# KiCad board panel.opm-inline.kicad_pcb (continued)
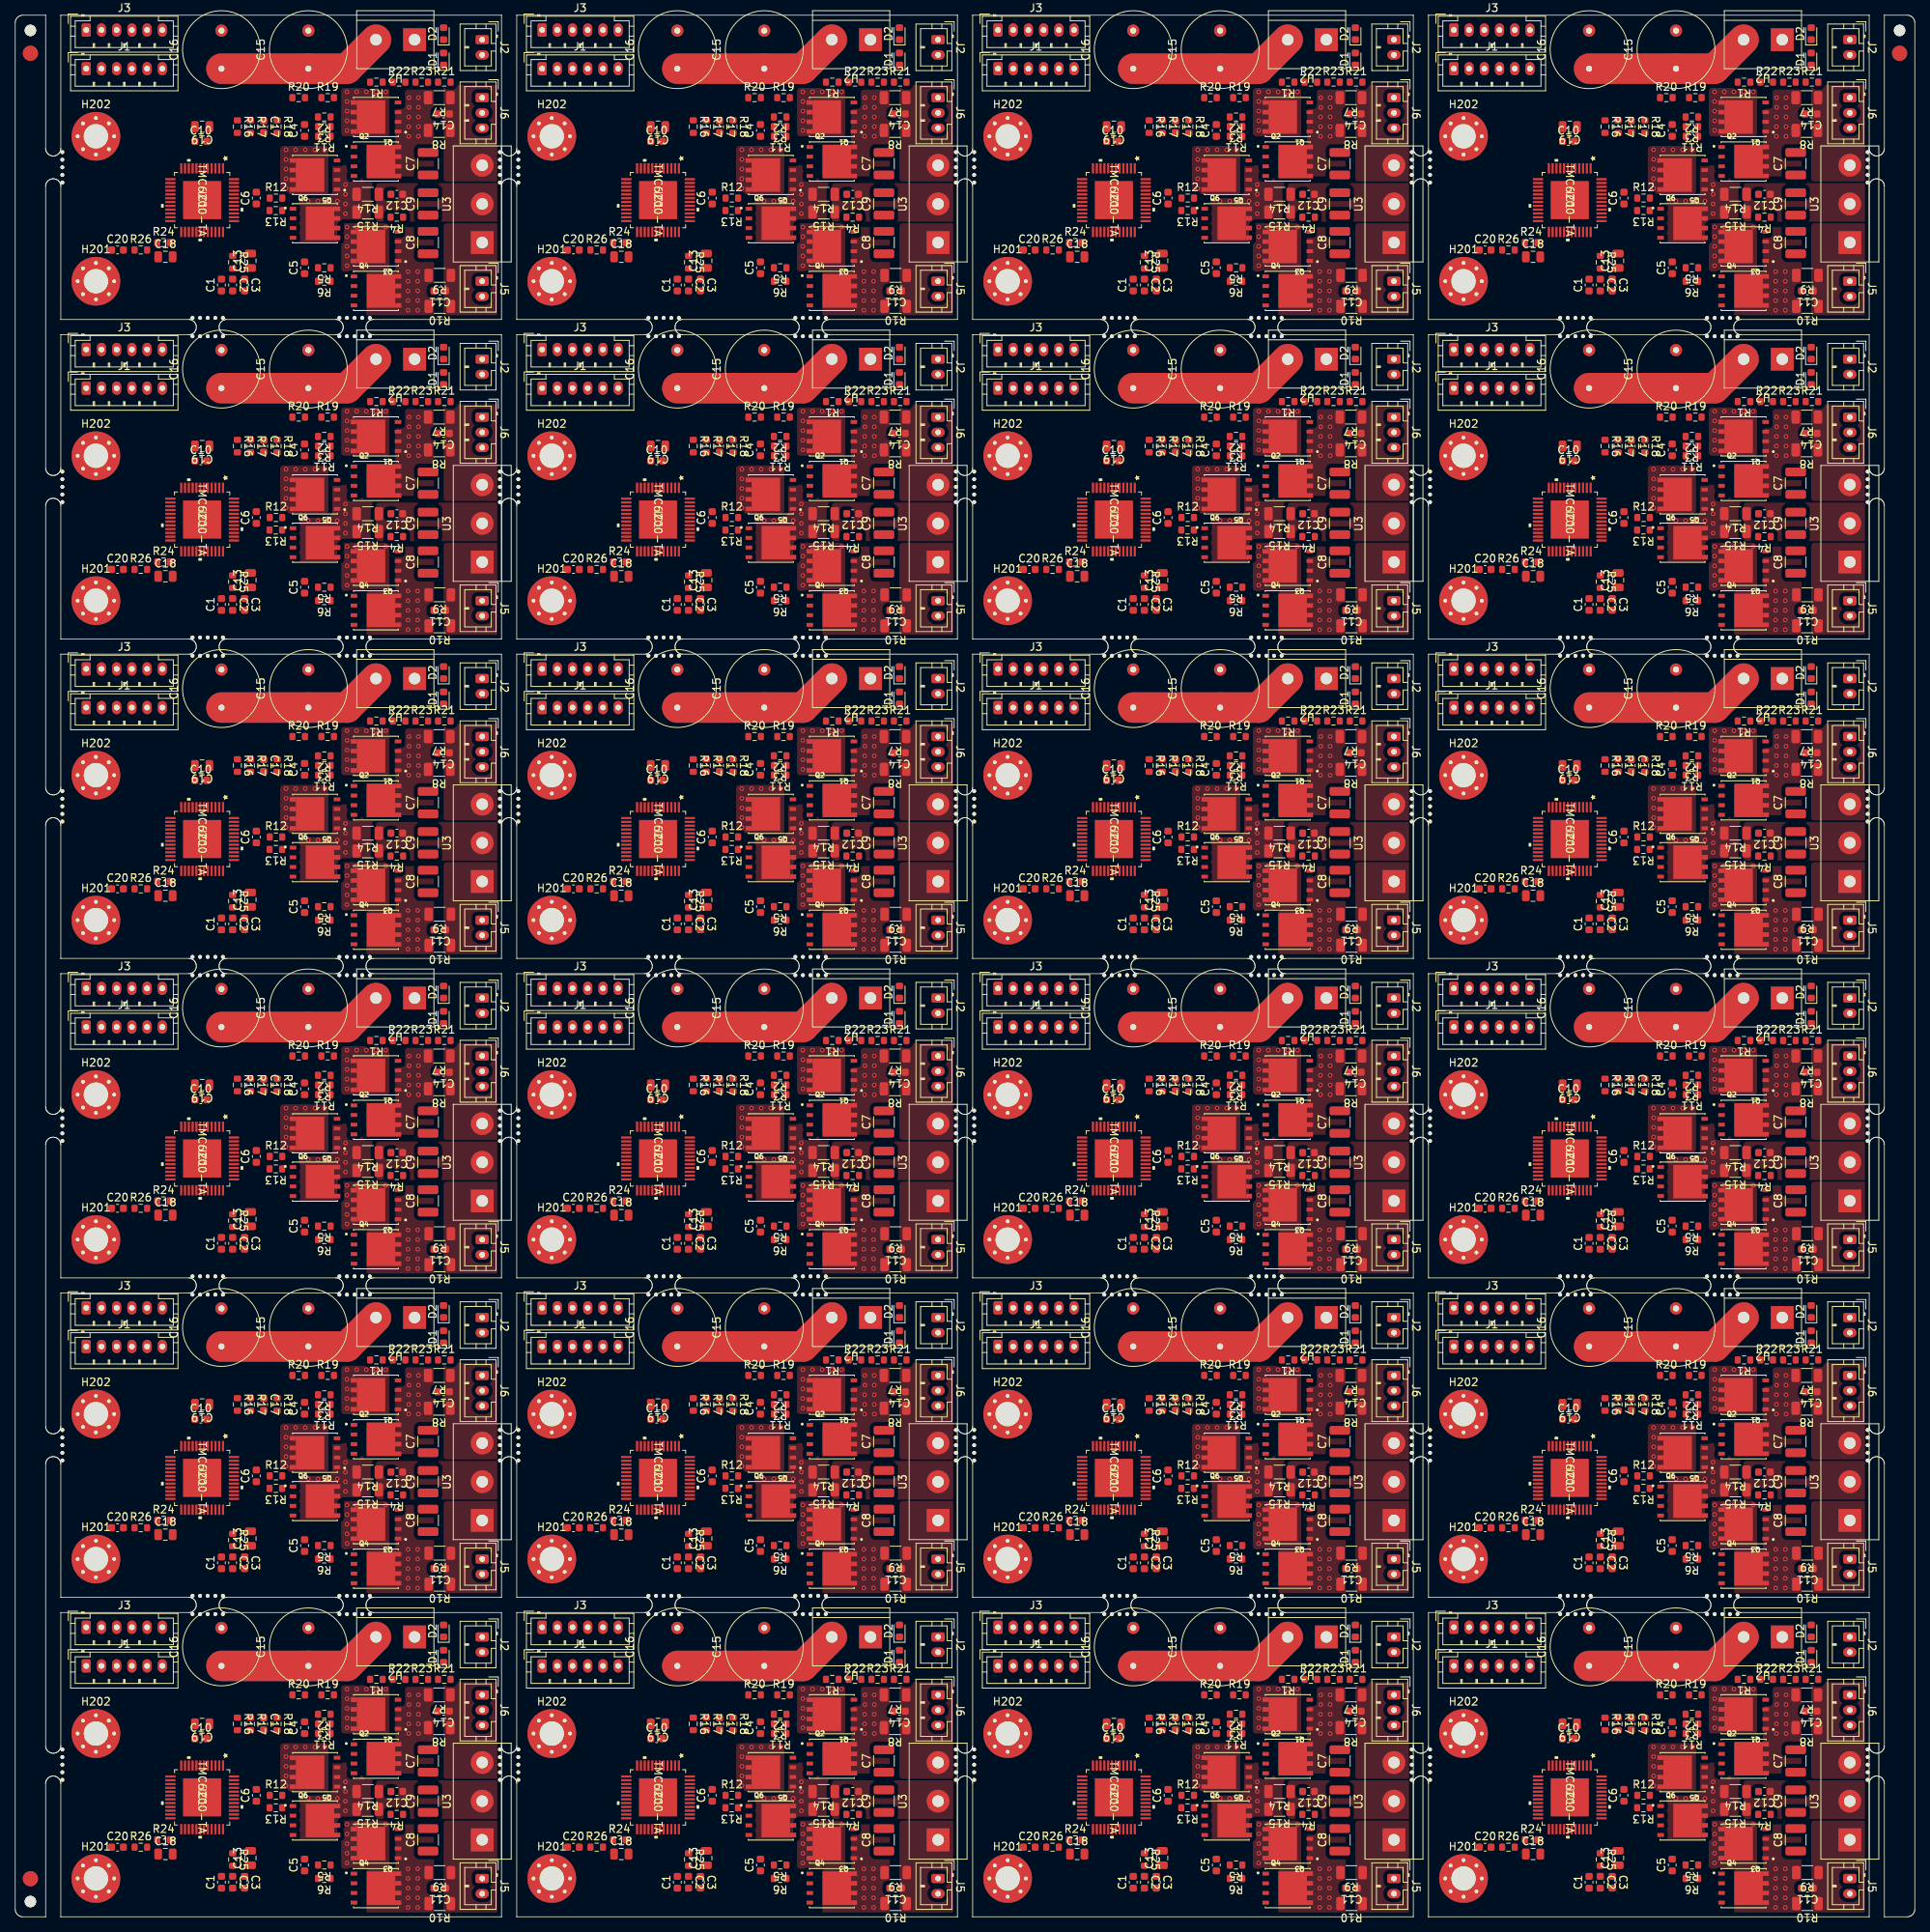
[diagram p0: board, top side]
## Placement (name value [footprint] x y rotation side) (continued)
Q3#9  HYG025N06LS1C2  [PDFN-8]  47.44 135.59 180 top
Q3#10  HYG025N06LS1C2  [PDFN-8]  107.39 135.59 180 top
Q3#11  HYG025N06LS1C2  [PDFN-8]  167.34 135.59 180 top
Q3#12  HYG025N06LS1C2  [PDFN-8]  227.29 135.59 180 top
Q3#13  HYG025N06LS1C2  [PDFN-8]  47.44 93.6 180 top
Q3#14  HYG025N06LS1C2  [PDFN-8]  107.39 93.6 180 top
Q3#15  HYG025N06LS1C2  [PDFN-8]  167.34 93.6 180 top
Q3#16  HYG025N06LS1C2  [PDFN-8]  227.29 93.6 180 top
Q3#17  HYG025N06LS1C2  [PDFN-8]  47.44 51.61 180 top
Q3#18  HYG025N06LS1C2  [PDFN-8]  107.39 51.61 180 top
Q3#19  HYG025N06LS1C2  [PDFN-8]  167.34 51.61 180 top
Q3#20  HYG025N06LS1C2  [PDFN-8]  227.29 51.61 180 top
Q3#21  HYG025N06LS1C2  [PDFN-8]  47.44 9.62 180 top
Q3#22  HYG025N06LS1C2  [PDFN-8]  107.39 9.62 180 top
Q3#23  HYG025N06LS1C2  [PDFN-8]  167.34 9.62 180 top
Q3#24  HYG025N06LS1C2  [PDFN-8]  227.29 9.62 180 top
Q4  HYG025N06LS1C2  [PDFN-8]  47.44 213.72 0 top
Q4#2  HYG025N06LS1C2  [PDFN-8]  107.39 213.72 0 top
Q4#3  HYG025N06LS1C2  [PDFN-8]  167.34 213.72 0 top
Q4#4  HYG025N06LS1C2  [PDFN-8]  227.29 213.72 0 top
Q4#5  HYG025N06LS1C2  [PDFN-8]  47.44 171.73 0 top
Q4#6  HYG025N06LS1C2  [PDFN-8]  107.39 171.73 0 top
Q4#7  HYG025N06LS1C2  [PDFN-8]  167.34 171.73 0 top
Q4#8  HYG025N06LS1C2  [PDFN-8]  227.29 171.73 0 top
Q4#9  HYG025N06LS1C2  [PDFN-8]  47.44 129.74 0 top
Q4#10  HYG025N06LS1C2  [PDFN-8]  107.39 129.74 0 top
Q4#11  HYG025N06LS1C2  [PDFN-8]  167.34 129.74 0 top
Q4#12  HYG025N06LS1C2  [PDFN-8]  227.29 129.74 0 top
Q4#13  HYG025N06LS1C2  [PDFN-8]  47.44 87.75 0 top
Q4#14  HYG025N06LS1C2  [PDFN-8]  107.39 87.75 0 top
Q4#15  HYG025N06LS1C2  [PDFN-8]  167.34 87.75 0 top
Q4#16  HYG025N06LS1C2  [PDFN-8]  227.29 87.75 0 top
Q4#17  HYG025N06LS1C2  [PDFN-8]  47.44 45.76 0 top
Q4#18  HYG025N06LS1C2  [PDFN-8]  107.39 45.76 0 top
Q4#19  HYG025N06LS1C2  [PDFN-8]  167.34 45.76 0 top
Q4#20  HYG025N06LS1C2  [PDFN-8]  227.29 45.76 0 top
Q4#21  HYG025N06LS1C2  [PDFN-8]  47.44 3.77 0 top
Q4#22  HYG025N06LS1C2  [PDFN-8]  107.39 3.77 0 top
Q4#23  HYG025N06LS1C2  [PDFN-8]  167.34 3.77 0 top
Q4#24  HYG025N06LS1C2  [PDFN-8]  227.29 3.77 0 top
Q5  HYG025N06LS1C2  [PDFN-8]  39.42 228.96 180 top
Q5#2  HYG025N06LS1C2  [PDFN-8]  99.37 228.96 180 top
Q5#3  HYG025N06LS1C2  [PDFN-8]  159.32 228.96 180 top
Q5#4  HYG025N06LS1C2  [PDFN-8]  219.27 228.96 180 top
Q5#5  HYG025N06LS1C2  [PDFN-8]  39.42 186.97 180 top
Q5#6  HYG025N06LS1C2  [PDFN-8]  99.37 186.97 180 top
Q5#7  HYG025N06LS1C2  [PDFN-8]  159.32 186.97 180 top
Q5#8  HYG025N06LS1C2  [PDFN-8]  219.27 186.97 180 top
Q5#9  HYG025N06LS1C2  [PDFN-8]  39.42 144.98 180 top
Q5#10  HYG025N06LS1C2  [PDFN-8]  99.37 144.98 180 top
Q5#11  HYG025N06LS1C2  [PDFN-8]  159.32 144.98 180 top
Q5#12  HYG025N06LS1C2  [PDFN-8]  219.27 144.98 180 top
Q5#13  HYG025N06LS1C2  [PDFN-8]  39.42 102.99 180 top
Q5#14  HYG025N06LS1C2  [PDFN-8]  99.37 102.99 180 top
Q5#15  HYG025N06LS1C2  [PDFN-8]  159.32 102.99 180 top
Q5#16  HYG025N06LS1C2  [PDFN-8]  219.27 102.99 180 top
Q5#17  HYG025N06LS1C2  [PDFN-8]  39.42 61 180 top
Q5#18  HYG025N06LS1C2  [PDFN-8]  99.37 61 180 top
Q5#19  HYG025N06LS1C2  [PDFN-8]  159.32 61 180 top
Q5#20  HYG025N06LS1C2  [PDFN-8]  219.27 61 180 top
Q5#21  HYG025N06LS1C2  [PDFN-8]  39.42 19.01 180 top
Q5#22  HYG025N06LS1C2  [PDFN-8]  99.37 19.01 180 top
Q5#23  HYG025N06LS1C2  [PDFN-8]  159.32 19.01 180 top
Q5#24  HYG025N06LS1C2  [PDFN-8]  219.27 19.01 180 top
Q6  HYG025N06LS1C2  [PDFN-8]  39.42 222.61 0 top
Q6#2  HYG025N06LS1C2  [PDFN-8]  99.37 222.61 0 top
Q6#3  HYG025N06LS1C2  [PDFN-8]  159.32 222.61 0 top
Q6#4  HYG025N06LS1C2  [PDFN-8]  219.27 222.61 0 top
Q6#5  HYG025N06LS1C2  [PDFN-8]  39.42 180.62 0 top
Q6#6  HYG025N06LS1C2  [PDFN-8]  99.37 180.62 0 top
Q6#7  HYG025N06LS1C2  [PDFN-8]  159.32 180.62 0 top
Q6#8  HYG025N06LS1C2  [PDFN-8]  219.27 180.62 0 top
Q6#9  HYG025N06LS1C2  [PDFN-8]  39.42 138.63 0 top
Q6#10  HYG025N06LS1C2  [PDFN-8]  99.37 138.63 0 top
Q6#11  HYG025N06LS1C2  [PDFN-8]  159.32 138.63 0 top
Q6#12  HYG025N06LS1C2  [PDFN-8]  219.27 138.63 0 top
Q6#13  HYG025N06LS1C2  [PDFN-8]  39.42 96.64 0 top
Q6#14  HYG025N06LS1C2  [PDFN-8]  99.37 96.64 0 top
Q6#15  HYG025N06LS1C2  [PDFN-8]  159.32 96.64 0 top
Q6#16  HYG025N06LS1C2  [PDFN-8]  219.27 96.64 0 top
Q6#17  HYG025N06LS1C2  [PDFN-8]  39.42 54.65 0 top
Q6#18  HYG025N06LS1C2  [PDFN-8]  99.37 54.65 0 top
Q6#19  HYG025N06LS1C2  [PDFN-8]  159.32 54.65 0 top
Q6#20  HYG025N06LS1C2  [PDFN-8]  219.27 54.65 0 top
Q6#21  HYG025N06LS1C2  [PDFN-8]  39.42 12.66 0 top
Q6#22  HYG025N06LS1C2  [PDFN-8]  99.37 12.66 0 top
Q6#23  HYG025N06LS1C2  [PDFN-8]  159.32 12.66 0 top
Q6#24  HYG025N06LS1C2  [PDFN-8]  219.27 12.66 0 top
R1  22R/1%  [R_0603_1608Metric]  47.5 241.16 180 top
R1#2  22R/1%  [R_0603_1608Metric]  107.45 241.16 180 top
R1#3  22R/1%  [R_0603_1608Metric]  167.4 241.16 180 top
R1#4  22R/1%  [R_0603_1608Metric]  227.35 241.16 180 top
R1#5  22R/1%  [R_0603_1608Metric]  47.5 199.17 180 top
R1#6  22R/1%  [R_0603_1608Metric]  107.45 199.17 180 top
R1#7  22R/1%  [R_0603_1608Metric]  167.4 199.17 180 top
R1#8  22R/1%  [R_0603_1608Metric]  227.35 199.17 180 top
R1#9  22R/1%  [R_0603_1608Metric]  47.5 157.18 180 top
R1#10  22R/1%  [R_0603_1608Metric]  107.45 157.18 180 top
R1#11  22R/1%  [R_0603_1608Metric]  167.4 157.18 180 top
R1#12  22R/1%  [R_0603_1608Metric]  227.35 157.18 180 top
R1#13  22R/1%  [R_0603_1608Metric]  47.5 115.19 180 top
R1#14  22R/1%  [R_0603_1608Metric]  107.45 115.19 180 top
R1#15  22R/1%  [R_0603_1608Metric]  167.4 115.19 180 top
R1#16  22R/1%  [R_0603_1608Metric]  227.35 115.19 180 top
R1#17  22R/1%  [R_0603_1608Metric]  47.5 73.2 180 top
R1#18  22R/1%  [R_0603_1608Metric]  107.45 73.2 180 top
R1#19  22R/1%  [R_0603_1608Metric]  167.4 73.2 180 top
R1#20  22R/1%  [R_0603_1608Metric]  227.35 73.2 180 top
R1#21  22R/1%  [R_0603_1608Metric]  47.5 31.21 180 top
R1#22  22R/1%  [R_0603_1608Metric]  107.45 31.21 180 top
R1#23  22R/1%  [R_0603_1608Metric]  167.4 31.21 180 top
R1#24  22R/1%  [R_0603_1608Metric]  227.35 31.21 180 top
R2  10R/1%  [R_0603_1608Metric]  40.65 236.58 180 top
R2#2  10R/1%  [R_0603_1608Metric]  100.6 236.58 180 top
R2#3  10R/1%  [R_0603_1608Metric]  160.55 236.58 180 top
R2#4  10R/1%  [R_0603_1608Metric]  220.5 236.58 180 top
R2#5  10R/1%  [R_0603_1608Metric]  40.65 194.59 180 top
R2#6  10R/1%  [R_0603_1608Metric]  100.6 194.59 180 top
R2#7  10R/1%  [R_0603_1608Metric]  160.55 194.59 180 top
R2#8  10R/1%  [R_0603_1608Metric]  220.5 194.59 180 top
R2#9  10R/1%  [R_0603_1608Metric]  40.65 152.6 180 top
R2#10  10R/1%  [R_0603_1608Metric]  100.6 152.6 180 top
R2#11  10R/1%  [R_0603_1608Metric]  160.55 152.6 180 top
R2#12  10R/1%  [R_0603_1608Metric]  220.5 152.6 180 top
R2#13  10R/1%  [R_0603_1608Metric]  40.65 110.61 180 top
R2#14  10R/1%  [R_0603_1608Metric]  100.6 110.61 180 top
R2#15  10R/1%  [R_0603_1608Metric]  160.55 110.61 180 top
R2#16  10R/1%  [R_0603_1608Metric]  220.5 110.61 180 top
R2#17  10R/1%  [R_0603_1608Metric]  40.65 68.62 180 top
R2#18  10R/1%  [R_0603_1608Metric]  100.6 68.62 180 top
R2#19  10R/1%  [R_0603_1608Metric]  160.55 68.62 180 top
R2#20  10R/1%  [R_0603_1608Metric]  220.5 68.62 180 top
R2#21  10R/1%  [R_0603_1608Metric]  40.65 26.63 180 top
R2#22  10R/1%  [R_0603_1608Metric]  100.6 26.63 180 top
R2#23  10R/1%  [R_0603_1608Metric]  160.55 26.63 180 top
R2#24  10R/1%  [R_0603_1608Metric]  220.5 26.63 180 top
R3  22R/1%  [R_0603_1608Metric]  40.65 235.31 180 top
R3#2  22R/1%  [R_0603_1608Metric]  100.6 235.31 180 top
R3#3  22R/1%  [R_0603_1608Metric]  160.55 235.31 180 top
R3#4  22R/1%  [R_0603_1608Metric]  220.5 235.31 180 top
R3#5  22R/1%  [R_0603_1608Metric]  40.65 193.32 180 top
R3#6  22R/1%  [R_0603_1608Metric]  100.6 193.32 180 top
R3#7  22R/1%  [R_0603_1608Metric]  160.55 193.32 180 top
R3#8  22R/1%  [R_0603_1608Metric]  220.5 193.32 180 top
R3#9  22R/1%  [R_0603_1608Metric]  40.65 151.33 180 top
R3#10  22R/1%  [R_0603_1608Metric]  100.6 151.33 180 top
R3#11  22R/1%  [R_0603_1608Metric]  160.55 151.33 180 top
R3#12  22R/1%  [R_0603_1608Metric]  220.5 151.33 180 top
R3#13  22R/1%  [R_0603_1608Metric]  40.65 109.34 180 top
R3#14  22R/1%  [R_0603_1608Metric]  100.6 109.34 180 top
R3#15  22R/1%  [R_0603_1608Metric]  160.55 109.34 180 top
R3#16  22R/1%  [R_0603_1608Metric]  220.5 109.34 180 top
R3#17  22R/1%  [R_0603_1608Metric]  40.65 67.35 180 top
R3#18  22R/1%  [R_0603_1608Metric]  100.6 67.35 180 top
R3#19  22R/1%  [R_0603_1608Metric]  160.55 67.35 180 top
R3#20  22R/1%  [R_0603_1608Metric]  220.5 67.35 180 top
R3#21  22R/1%  [R_0603_1608Metric]  40.65 25.36 180 top
R3#22  22R/1%  [R_0603_1608Metric]  100.6 25.36 180 top
R3#23  22R/1%  [R_0603_1608Metric]  160.55 25.36 180 top
R3#24  22R/1%  [R_0603_1608Metric]  220.5 25.36 180 top
R4  22R/1%  [R_0603_1608Metric]  50.18 223.41 180 top
R4#2  22R/1%  [R_0603_1608Metric]  110.13 223.41 180 top
R4#3  22R/1%  [R_0603_1608Metric]  170.08 223.41 180 top
R4#4  22R/1%  [R_0603_1608Metric]  230.03 223.41 180 top
R4#5  22R/1%  [R_0603_1608Metric]  50.18 181.42 180 top
R4#6  22R/1%  [R_0603_1608Metric]  110.13 181.42 180 top
R4#7  22R/1%  [R_0603_1608Metric]  170.08 181.42 180 top
R4#8  22R/1%  [R_0603_1608Metric]  230.03 181.42 180 top
R4#9  22R/1%  [R_0603_1608Metric]  50.18 139.43 180 top
R4#10  22R/1%  [R_0603_1608Metric]  110.13 139.43 180 top
R4#11  22R/1%  [R_0603_1608Metric]  170.08 139.43 180 top
R4#12  22R/1%  [R_0603_1608Metric]  230.03 139.43 180 top
R4#13  22R/1%  [R_0603_1608Metric]  50.18 97.44 180 top
R4#14  22R/1%  [R_0603_1608Metric]  110.13 97.44 180 top
R4#15  22R/1%  [R_0603_1608Metric]  170.08 97.44 180 top
R4#16  22R/1%  [R_0603_1608Metric]  230.03 97.44 180 top
R4#17  22R/1%  [R_0603_1608Metric]  50.18 55.45 180 top
R4#18  22R/1%  [R_0603_1608Metric]  110.13 55.45 180 top
R4#19  22R/1%  [R_0603_1608Metric]  170.08 55.45 180 top
R4#20  22R/1%  [R_0603_1608Metric]  230.03 55.45 180 top
R4#21  22R/1%  [R_0603_1608Metric]  50.18 13.46 180 top
R4#22  22R/1%  [R_0603_1608Metric]  110.13 13.46 180 top
R4#23  22R/1%  [R_0603_1608Metric]  170.08 13.46 180 top
R4#24  22R/1%  [R_0603_1608Metric]  230.03 13.46 180 top
R5  10R/1%  [R_0603_1608Metric]  40.65 216.76 180 top
R5#2  10R/1%  [R_0603_1608Metric]  100.6 216.76 180 top
R5#3  10R/1%  [R_0603_1608Metric]  160.55 216.76 180 top
R5#4  10R/1%  [R_0603_1608Metric]  220.5 216.76 180 top
R5#5  10R/1%  [R_0603_1608Metric]  40.65 174.77 180 top
R5#6  10R/1%  [R_0603_1608Metric]  100.6 174.77 180 top
R5#7  10R/1%  [R_0603_1608Metric]  160.55 174.77 180 top
R5#8  10R/1%  [R_0603_1608Metric]  220.5 174.77 180 top
R5#9  10R/1%  [R_0603_1608Metric]  40.65 132.78 180 top
R5#10  10R/1%  [R_0603_1608Metric]  100.6 132.78 180 top
R5#11  10R/1%  [R_0603_1608Metric]  160.55 132.78 180 top
R5#12  10R/1%  [R_0603_1608Metric]  220.5 132.78 180 top
R5#13  10R/1%  [R_0603_1608Metric]  40.65 90.79 180 top
R5#14  10R/1%  [R_0603_1608Metric]  100.6 90.79 180 top
R5#15  10R/1%  [R_0603_1608Metric]  160.55 90.79 180 top
R5#16  10R/1%  [R_0603_1608Metric]  220.5 90.79 180 top
R5#17  10R/1%  [R_0603_1608Metric]  40.65 48.8 180 top
R5#18  10R/1%  [R_0603_1608Metric]  100.6 48.8 180 top
R5#19  10R/1%  [R_0603_1608Metric]  160.55 48.8 180 top
R5#20  10R/1%  [R_0603_1608Metric]  220.5 48.8 180 top
R5#21  10R/1%  [R_0603_1608Metric]  40.65 6.81 180 top
R5#22  10R/1%  [R_0603_1608Metric]  100.6 6.81 180 top
R5#23  10R/1%  [R_0603_1608Metric]  160.55 6.81 180 top
R5#24  10R/1%  [R_0603_1608Metric]  220.5 6.81 180 top
R6  22R/1%  [R_0603_1608Metric]  40.64 214.99 180 top
R6#2  22R/1%  [R_0603_1608Metric]  100.59 214.99 180 top
R6#3  22R/1%  [R_0603_1608Metric]  160.54 214.99 180 top
R6#4  22R/1%  [R_0603_1608Metric]  220.49 214.99 180 top
R6#5  22R/1%  [R_0603_1608Metric]  40.64 173 180 top
R6#6  22R/1%  [R_0603_1608Metric]  100.59 173 180 top
R6#7  22R/1%  [R_0603_1608Metric]  160.54 173 180 top
R6#8  22R/1%  [R_0603_1608Metric]  220.49 173 180 top
R6#9  22R/1%  [R_0603_1608Metric]  40.64 131.01 180 top
R6#10  22R/1%  [R_0603_1608Metric]  100.59 131.01 180 top
R6#11  22R/1%  [R_0603_1608Metric]  160.54 131.01 180 top
R6#12  22R/1%  [R_0603_1608Metric]  220.49 131.01 180 top
R6#13  22R/1%  [R_0603_1608Metric]  40.64 89.02 180 top
R6#14  22R/1%  [R_0603_1608Metric]  100.59 89.02 180 top
R6#15  22R/1%  [R_0603_1608Metric]  160.54 89.02 180 top
R6#16  22R/1%  [R_0603_1608Metric]  220.49 89.02 180 top
R6#17  22R/1%  [R_0603_1608Metric]  40.64 47.03 180 top
R6#18  22R/1%  [R_0603_1608Metric]  100.59 47.03 180 top
R6#19  22R/1%  [R_0603_1608Metric]  160.54 47.03 180 top
R6#20  22R/1%  [R_0603_1608Metric]  220.49 47.03 180 top
R6#21  22R/1%  [R_0603_1608Metric]  40.64 5.04 180 top
R6#22  22R/1%  [R_0603_1608Metric]  100.59 5.04 180 top
R6#23  22R/1%  [R_0603_1608Metric]  160.54 5.04 180 top
R6#24  22R/1%  [R_0603_1608Metric]  220.49 5.04 180 top
R7  0R005/1%/1W  [R_1206_3216Metric]  55.75 239.12 180 top
R7#2  0R005/1%/1W  [R_1206_3216Metric]  115.7 239.12 180 top
R7#3  0R005/1%/1W  [R_1206_3216Metric]  175.65 239.12 180 top
R7#4  0R005/1%/1W  [R_1206_3216Metric]  235.6 239.12 180 top
R7#5  0R005/1%/1W  [R_1206_3216Metric]  55.75 197.13 180 top
R7#6  0R005/1%/1W  [R_1206_3216Metric]  115.7 197.13 180 top
R7#7  0R005/1%/1W  [R_1206_3216Metric]  175.65 197.13 180 top
R7#8  0R005/1%/1W  [R_1206_3216Metric]  235.6 197.13 180 top
R7#9  0R005/1%/1W  [R_1206_3216Metric]  55.75 155.14 180 top
R7#10  0R005/1%/1W  [R_1206_3216Metric]  115.7 155.14 180 top
R7#11  0R005/1%/1W  [R_1206_3216Metric]  175.65 155.14 180 top
R7#12  0R005/1%/1W  [R_1206_3216Metric]  235.6 155.14 180 top
R7#13  0R005/1%/1W  [R_1206_3216Metric]  55.75 113.15 180 top
R7#14  0R005/1%/1W  [R_1206_3216Metric]  115.7 113.15 180 top
R7#15  0R005/1%/1W  [R_1206_3216Metric]  175.65 113.15 180 top
R7#16  0R005/1%/1W  [R_1206_3216Metric]  235.6 113.15 180 top
R7#17  0R005/1%/1W  [R_1206_3216Metric]  55.75 71.16 180 top
R7#18  0R005/1%/1W  [R_1206_3216Metric]  115.7 71.16 180 top
R7#19  0R005/1%/1W  [R_1206_3216Metric]  175.65 71.16 180 top
R7#20  0R005/1%/1W  [R_1206_3216Metric]  235.6 71.16 180 top
R7#21  0R005/1%/1W  [R_1206_3216Metric]  55.75 29.17 180 top
R7#22  0R005/1%/1W  [R_1206_3216Metric]  115.7 29.17 180 top
R7#23  0R005/1%/1W  [R_1206_3216Metric]  175.65 29.17 180 top
R7#24  0R005/1%/1W  [R_1206_3216Metric]  235.6 29.17 180 top
R8  0R005/1%/1W  [R_1206_3216Metric]  55.75 234.81 180 top
R8#2  0R005/1%/1W  [R_1206_3216Metric]  115.7 234.81 180 top
R8#3  0R005/1%/1W  [R_1206_3216Metric]  175.65 234.81 180 top
R8#4  0R005/1%/1W  [R_1206_3216Metric]  235.6 234.81 180 top
R8#5  0R005/1%/1W  [R_1206_3216Metric]  55.75 192.82 180 top
R8#6  0R005/1%/1W  [R_1206_3216Metric]  115.7 192.82 180 top
R8#7  0R005/1%/1W  [R_1206_3216Metric]  175.65 192.82 180 top
R8#8  0R005/1%/1W  [R_1206_3216Metric]  235.6 192.82 180 top
R8#9  0R005/1%/1W  [R_1206_3216Metric]  55.75 150.83 180 top
R8#10  0R005/1%/1W  [R_1206_3216Metric]  115.7 150.83 180 top
R8#11  0R005/1%/1W  [R_1206_3216Metric]  175.65 150.83 180 top
R8#12  0R005/1%/1W  [R_1206_3216Metric]  235.6 150.83 180 top
R8#13  0R005/1%/1W  [R_1206_3216Metric]  55.75 108.84 180 top
R8#14  0R005/1%/1W  [R_1206_3216Metric]  115.7 108.84 180 top
R8#15  0R005/1%/1W  [R_1206_3216Metric]  175.65 108.84 180 top
R8#16  0R005/1%/1W  [R_1206_3216Metric]  235.6 108.84 180 top
R8#17  0R005/1%/1W  [R_1206_3216Metric]  55.75 66.85 180 top
R8#18  0R005/1%/1W  [R_1206_3216Metric]  115.7 66.85 180 top
R8#19  0R005/1%/1W  [R_1206_3216Metric]  175.65 66.85 180 top
R8#20  0R005/1%/1W  [R_1206_3216Metric]  235.6 66.85 180 top
R8#21  0R005/1%/1W  [R_1206_3216Metric]  55.75 24.86 180 top
R8#22  0R005/1%/1W  [R_1206_3216Metric]  115.7 24.86 180 top
R8#23  0R005/1%/1W  [R_1206_3216Metric]  175.65 24.86 180 top
R8#24  0R005/1%/1W  [R_1206_3216Metric]  235.6 24.86 180 top
R9  0R005/1%/1W  [R_1206_3216Metric]  55.83 215.76 180 top
R9#2  0R005/1%/1W  [R_1206_3216Metric]  115.78 215.76 180 top
R9#3  0R005/1%/1W  [R_1206_3216Metric]  175.73 215.76 180 top
R9#4  0R005/1%/1W  [R_1206_3216Metric]  235.68 215.76 180 top
R9#5  0R005/1%/1W  [R_1206_3216Metric]  55.83 173.77 180 top
R9#6  0R005/1%/1W  [R_1206_3216Metric]  115.78 173.77 180 top
R9#7  0R005/1%/1W  [R_1206_3216Metric]  175.73 173.77 180 top
R9#8  0R005/1%/1W  [R_1206_3216Metric]  235.68 173.77 180 top
R9#9  0R005/1%/1W  [R_1206_3216Metric]  55.83 131.78 180 top
R9#10  0R005/1%/1W  [R_1206_3216Metric]  115.78 131.78 180 top
R9#11  0R005/1%/1W  [R_1206_3216Metric]  175.73 131.78 180 top
R9#12  0R005/1%/1W  [R_1206_3216Metric]  235.68 131.78 180 top
R9#13  0R005/1%/1W  [R_1206_3216Metric]  55.83 89.79 180 top
R9#14  0R005/1%/1W  [R_1206_3216Metric]  115.78 89.79 180 top
R9#15  0R005/1%/1W  [R_1206_3216Metric]  175.73 89.79 180 top
R9#16  0R005/1%/1W  [R_1206_3216Metric]  235.68 89.79 180 top
R9#17  0R005/1%/1W  [R_1206_3216Metric]  55.83 47.8 180 top
R9#18  0R005/1%/1W  [R_1206_3216Metric]  115.78 47.8 180 top
R9#19  0R005/1%/1W  [R_1206_3216Metric]  175.73 47.8 180 top
R9#20  0R005/1%/1W  [R_1206_3216Metric]  235.68 47.8 180 top
R9#21  0R005/1%/1W  [R_1206_3216Metric]  55.83 5.81 180 top
R9#22  0R005/1%/1W  [R_1206_3216Metric]  115.78 5.81 180 top
R9#23  0R005/1%/1W  [R_1206_3216Metric]  175.73 5.81 180 top
R9#24  0R005/1%/1W  [R_1206_3216Metric]  235.68 5.81 180 top
R10  0R005/1%/1W  [R_1206_3216Metric]  55.83 211.68 180 top
R10#2  0R005/1%/1W  [R_1206_3216Metric]  115.78 211.68 180 top
R10#3  0R005/1%/1W  [R_1206_3216Metric]  175.73 211.68 180 top
R10#4  0R005/1%/1W  [R_1206_3216Metric]  235.68 211.68 180 top
R10#5  0R005/1%/1W  [R_1206_3216Metric]  55.83 169.69 180 top
R10#6  0R005/1%/1W  [R_1206_3216Metric]  115.78 169.69 180 top
R10#7  0R005/1%/1W  [R_1206_3216Metric]  175.73 169.69 180 top
R10#8  0R005/1%/1W  [R_1206_3216Metric]  235.68 169.69 180 top
R10#9  0R005/1%/1W  [R_1206_3216Metric]  55.83 127.7 180 top
R10#10  0R005/1%/1W  [R_1206_3216Metric]  115.78 127.7 180 top
R10#11  0R005/1%/1W  [R_1206_3216Metric]  175.73 127.7 180 top
R10#12  0R005/1%/1W  [R_1206_3216Metric]  235.68 127.7 180 top
R10#13  0R005/1%/1W  [R_1206_3216Metric]  55.83 85.71 180 top
R10#14  0R005/1%/1W  [R_1206_3216Metric]  115.78 85.71 180 top
R10#15  0R005/1%/1W  [R_1206_3216Metric]  175.73 85.71 180 top
R10#16  0R005/1%/1W  [R_1206_3216Metric]  235.68 85.71 180 top
R10#17  0R005/1%/1W  [R_1206_3216Metric]  55.83 43.72 180 top
R10#18  0R005/1%/1W  [R_1206_3216Metric]  115.78 43.72 180 top
R10#19  0R005/1%/1W  [R_1206_3216Metric]  175.73 43.72 180 top
R10#20  0R005/1%/1W  [R_1206_3216Metric]  235.68 43.72 180 top
R10#21  0R005/1%/1W  [R_1206_3216Metric]  55.83 1.73 180 top
R10#22  0R005/1%/1W  [R_1206_3216Metric]  115.78 1.73 180 top
R10#23  0R005/1%/1W  [R_1206_3216Metric]  175.73 1.73 180 top
R10#24  0R005/1%/1W  [R_1206_3216Metric]  235.68 1.73 180 top
R11  22R/1%  [R_0603_1608Metric]  40.65 234.04 180 top
R11#2  22R/1%  [R_0603_1608Metric]  100.6 234.04 180 top
R11#3  22R/1%  [R_0603_1608Metric]  160.55 234.04 180 top
R11#4  22R/1%  [R_0603_1608Metric]  220.5 234.04 180 top
R11#5  22R/1%  [R_0603_1608Metric]  40.65 192.05 180 top
R11#6  22R/1%  [R_0603_1608Metric]  100.6 192.05 180 top
R11#7  22R/1%  [R_0603_1608Metric]  160.55 192.05 180 top
R11#8  22R/1%  [R_0603_1608Metric]  220.5 192.05 180 top
R11#9  22R/1%  [R_0603_1608Metric]  40.65 150.06 180 top
R11#10  22R/1%  [R_0603_1608Metric]  100.6 150.06 180 top
R11#11  22R/1%  [R_0603_1608Metric]  160.55 150.06 180 top
R11#12  22R/1%  [R_0603_1608Metric]  220.5 150.06 180 top
R11#13  22R/1%  [R_0603_1608Metric]  40.65 108.07 180 top
R11#14  22R/1%  [R_0603_1608Metric]  100.6 108.07 180 top
R11#15  22R/1%  [R_0603_1608Metric]  160.55 108.07 180 top
R11#16  22R/1%  [R_0603_1608Metric]  220.5 108.07 180 top
R11#17  22R/1%  [R_0603_1608Metric]  40.65 66.08 180 top
R11#18  22R/1%  [R_0603_1608Metric]  100.6 66.08 180 top
R11#19  22R/1%  [R_0603_1608Metric]  160.55 66.08 180 top
R11#20  22R/1%  [R_0603_1608Metric]  220.5 66.08 180 top
R11#21  22R/1%  [R_0603_1608Metric]  40.65 24.09 180 top
R11#22  22R/1%  [R_0603_1608Metric]  100.6 24.09 180 top
R11#23  22R/1%  [R_0603_1608Metric]  160.55 24.09 180 top
R11#24  22R/1%  [R_0603_1608Metric]  220.5 24.09 180 top
R12  10R/1%  [R_0603_1608Metric]  34.29 225.92 0 top
R12#2  10R/1%  [R_0603_1608Metric]  94.24 225.92 0 top
R12#3  10R/1%  [R_0603_1608Metric]  154.19 225.92 0 top
R12#4  10R/1%  [R_0603_1608Metric]  214.14 225.92 0 top
R12#5  10R/1%  [R_0603_1608Metric]  34.29 183.93 0 top
R12#6  10R/1%  [R_0603_1608Metric]  94.24 183.93 0 top
R12#7  10R/1%  [R_0603_1608Metric]  154.19 183.93 0 top
R12#8  10R/1%  [R_0603_1608Metric]  214.14 183.93 0 top
R12#9  10R/1%  [R_0603_1608Metric]  34.29 141.94 0 top
R12#10  10R/1%  [R_0603_1608Metric]  94.24 141.94 0 top
R12#11  10R/1%  [R_0603_1608Metric]  154.19 141.94 0 top
R12#12  10R/1%  [R_0603_1608Metric]  214.14 141.94 0 top
R12#13  10R/1%  [R_0603_1608Metric]  34.29 99.95 0 top
R12#14  10R/1%  [R_0603_1608Metric]  94.24 99.95 0 top
R12#15  10R/1%  [R_0603_1608Metric]  154.19 99.95 0 top
R12#16  10R/1%  [R_0603_1608Metric]  214.14 99.95 0 top
R12#17  10R/1%  [R_0603_1608Metric]  34.29 57.96 0 top
R12#18  10R/1%  [R_0603_1608Metric]  94.24 57.96 0 top
R12#19  10R/1%  [R_0603_1608Metric]  154.19 57.96 0 top
R12#20  10R/1%  [R_0603_1608Metric]  214.14 57.96 0 top
R12#21  10R/1%  [R_0603_1608Metric]  34.29 15.97 0 top
R12#22  10R/1%  [R_0603_1608Metric]  94.24 15.97 0 top
R12#23  10R/1%  [R_0603_1608Metric]  154.19 15.97 0 top
R12#24  10R/1%  [R_0603_1608Metric]  214.14 15.97 0 top
R13  22R/1%  [R_0603_1608Metric]  34.27 224.28 180 top
R13#2  22R/1%  [R_0603_1608Metric]  94.22 224.28 180 top
R13#3  22R/1%  [R_0603_1608Metric]  154.17 224.28 180 top
R13#4  22R/1%  [R_0603_1608Metric]  214.12 224.28 180 top
R13#5  22R/1%  [R_0603_1608Metric]  34.27 182.29 180 top
R13#6  22R/1%  [R_0603_1608Metric]  94.22 182.29 180 top
R13#7  22R/1%  [R_0603_1608Metric]  154.17 182.29 180 top
R13#8  22R/1%  [R_0603_1608Metric]  214.12 182.29 180 top
R13#9  22R/1%  [R_0603_1608Metric]  34.27 140.3 180 top
R13#10  22R/1%  [R_0603_1608Metric]  94.22 140.3 180 top
R13#11  22R/1%  [R_0603_1608Metric]  154.17 140.3 180 top
R13#12  22R/1%  [R_0603_1608Metric]  214.12 140.3 180 top
R13#13  22R/1%  [R_0603_1608Metric]  34.27 98.31 180 top
R13#14  22R/1%  [R_0603_1608Metric]  94.22 98.31 180 top
R13#15  22R/1%  [R_0603_1608Metric]  154.17 98.31 180 top
R13#16  22R/1%  [R_0603_1608Metric]  214.12 98.31 180 top
R13#17  22R/1%  [R_0603_1608Metric]  34.27 56.32 180 top
R13#18  22R/1%  [R_0603_1608Metric]  94.22 56.32 180 top
R13#19  22R/1%  [R_0603_1608Metric]  154.17 56.32 180 top
R13#20  22R/1%  [R_0603_1608Metric]  214.12 56.32 180 top
R13#21  22R/1%  [R_0603_1608Metric]  34.27 14.33 180 top
R13#22  22R/1%  [R_0603_1608Metric]  94.22 14.33 180 top
R13#23  22R/1%  [R_0603_1608Metric]  154.17 14.33 180 top
R13#24  22R/1%  [R_0603_1608Metric]  214.12 14.33 180 top
R14  0R005/1%/1W  [R_1206_3216Metric]  46.36 226.42 180 top
R14#2  0R005/1%/1W  [R_1206_3216Metric]  106.31 226.42 180 top
R14#3  0R005/1%/1W  [R_1206_3216Metric]  166.26 226.42 180 top
R14#4  0R005/1%/1W  [R_1206_3216Metric]  226.21 226.42 180 top
R14#5  0R005/1%/1W  [R_1206_3216Metric]  46.36 184.43 180 top
R14#6  0R005/1%/1W  [R_1206_3216Metric]  106.31 184.43 180 top
R14#7  0R005/1%/1W  [R_1206_3216Metric]  166.26 184.43 180 top
R14#8  0R005/1%/1W  [R_1206_3216Metric]  226.21 184.43 180 top
R14#9  0R005/1%/1W  [R_1206_3216Metric]  46.36 142.44 180 top
R14#10  0R005/1%/1W  [R_1206_3216Metric]  106.31 142.44 180 top
R14#11  0R005/1%/1W  [R_1206_3216Metric]  166.26 142.44 180 top
R14#12  0R005/1%/1W  [R_1206_3216Metric]  226.21 142.44 180 top
R14#13  0R005/1%/1W  [R_1206_3216Metric]  46.36 100.45 180 top
R14#14  0R005/1%/1W  [R_1206_3216Metric]  106.31 100.45 180 top
R14#15  0R005/1%/1W  [R_1206_3216Metric]  166.26 100.45 180 top
R14#16  0R005/1%/1W  [R_1206_3216Metric]  226.21 100.45 180 top
R14#17  0R005/1%/1W  [R_1206_3216Metric]  46.36 58.46 180 top
R14#18  0R005/1%/1W  [R_1206_3216Metric]  106.31 58.46 180 top
R14#19  0R005/1%/1W  [R_1206_3216Metric]  166.26 58.46 180 top
R14#20  0R005/1%/1W  [R_1206_3216Metric]  226.21 58.46 180 top
R14#21  0R005/1%/1W  [R_1206_3216Metric]  46.36 16.47 180 top
R14#22  0R005/1%/1W  [R_1206_3216Metric]  106.31 16.47 180 top
R14#23  0R005/1%/1W  [R_1206_3216Metric]  166.26 16.47 180 top
R14#24  0R005/1%/1W  [R_1206_3216Metric]  226.21 16.47 180 top
R15  0R005/1%/1W  [R_1206_3216Metric]  46.36 224.08 180 top
R15#2  0R005/1%/1W  [R_1206_3216Metric]  106.31 224.08 180 top
R15#3  0R005/1%/1W  [R_1206_3216Metric]  166.26 224.08 180 top
R15#4  0R005/1%/1W  [R_1206_3216Metric]  226.21 224.08 180 top
R15#5  0R005/1%/1W  [R_1206_3216Metric]  46.36 182.09 180 top
R15#6  0R005/1%/1W  [R_1206_3216Metric]  106.31 182.09 180 top
R15#7  0R005/1%/1W  [R_1206_3216Metric]  166.26 182.09 180 top
R15#8  0R005/1%/1W  [R_1206_3216Metric]  226.21 182.09 180 top
R15#9  0R005/1%/1W  [R_1206_3216Metric]  46.36 140.1 180 top
R15#10  0R005/1%/1W  [R_1206_3216Metric]  106.31 140.1 180 top
R15#11  0R005/1%/1W  [R_1206_3216Metric]  166.26 140.1 180 top